# Altium PCB Inverter2beta.PcbDoc (part 1 of 5) (continued)
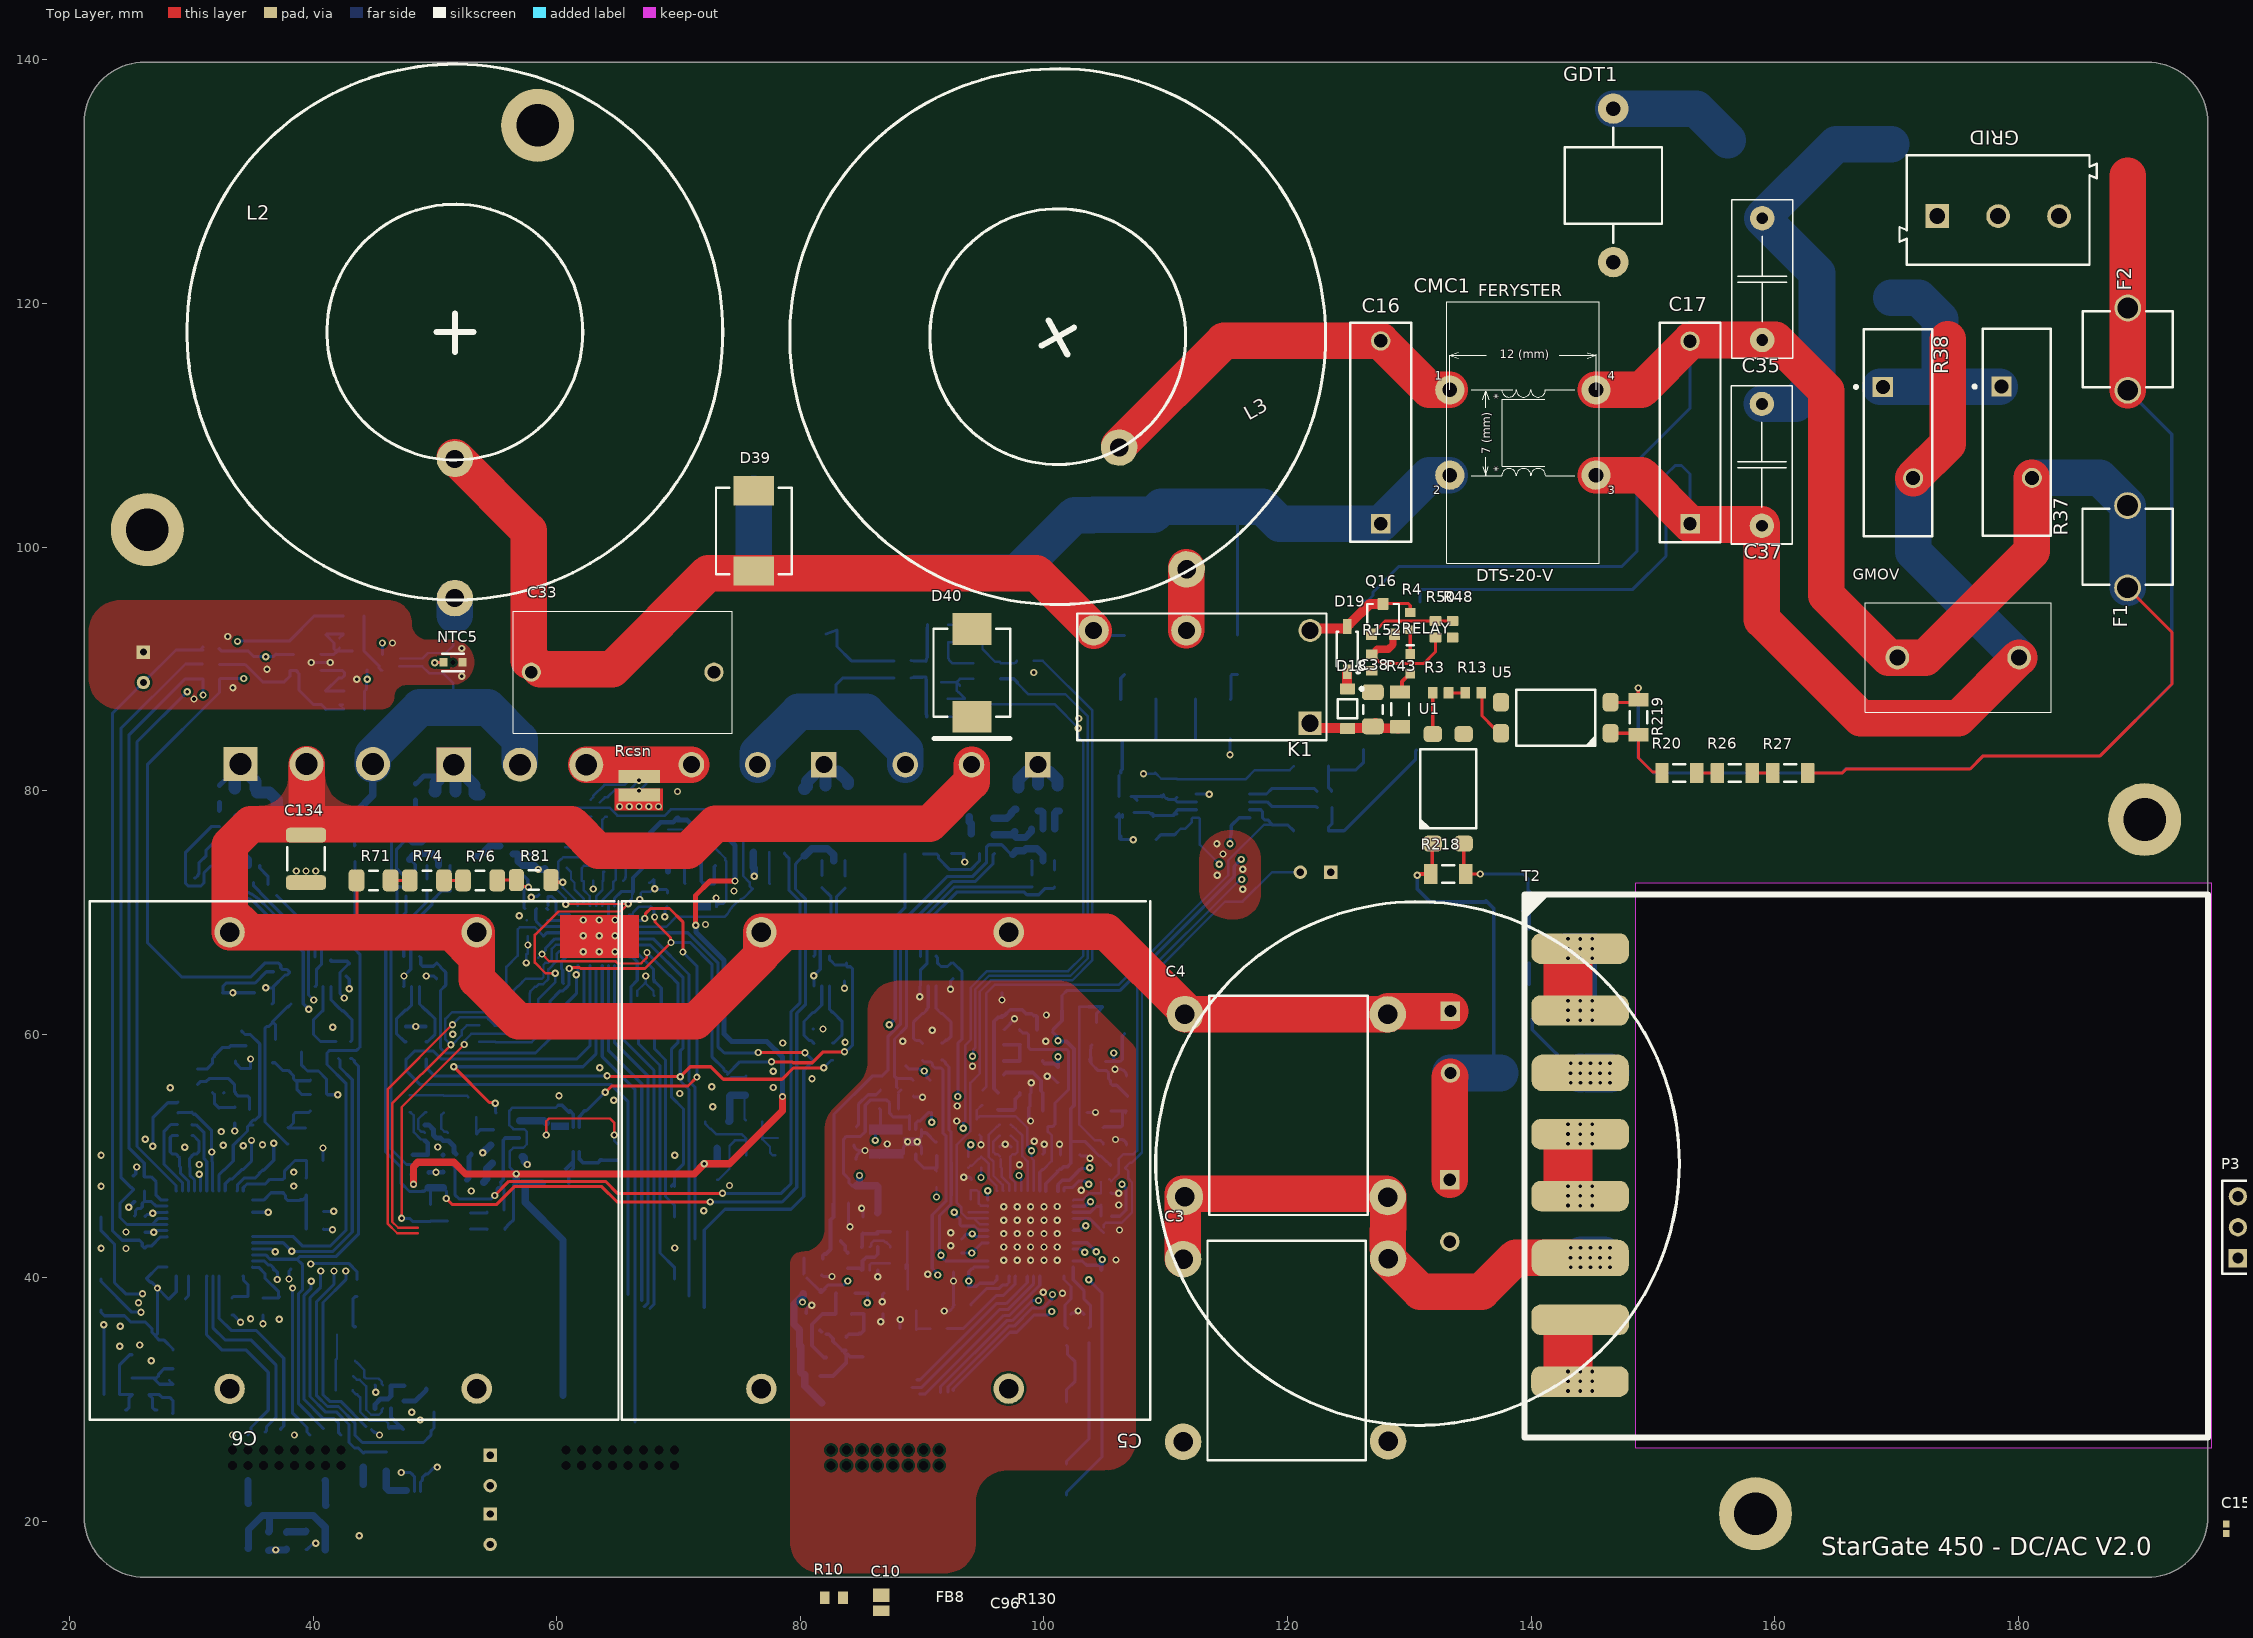
[diagram p0: Top Layer view]
## Components (designator, comment, footprint, x,y, rotation, side; value= is the part's Value field where it differs from the comment) (continued)
GRID "691101710003" 691101710003 178.35,127.675 r0 top
IC1 "STM32G431KBU3" QFN50P500X500X60-33N-D 63.475,68.075 r0 bottom
IC2 "MIC2290YML_TR" SON50P200X200X95-9N-D#1 48.55,21.45 r270 bottom
IC4 "MIC2290YML_TR" SON50P200X200X95-9N-D#2 61.6,51.35 r270 bottom
IC6 "MIC2290YML_TR" SON50P200X200X95-9N-D#1 89.2,51.175 r270 bottom
J1 "Header 6" HDR1X6 69.675,37.355 r90 bottom
J2 "Header 6" HDR1X6 22.575,37.35 r90 bottom
J3 "Header 6" HDR1X6 101.85,32.34 r270 bottom
K1 "ALQ312" PNSC-LQ-4-2000x1000x1600_V 121.85,85.53 r180 top
L1 "SRN3015-150M" BOUR-SRN3015-2_V#1 46.825,17.875 r0 bottom
L2 "1mH" PCBComponent_1 51.625,117.65 r0 top
L3 "1mH" PCBComponent_1 101.125,117.275 r29 top
L4 "SRN3015-150M" BOUR-SRN3015-2_V#2 59.9,47.775 r0 bottom
L5 "SRN3015-150M" BOUR-SRN3015-2_V#1 87.5,47.5 r0 bottom
LED1 "150060YS75000" 0603_A 277.489,31.727 r90 top
LED2 "150060YS75000" 0603_A 275.463,66.678 r90 top
LED3 "150060YS75000" 0603_A 95.825,24.825 r270 bottom
NTC1 "100K" FP-NXR_151B030-MFG 26.05,90.125 r270 bottom
NTC2 "100K" FP-NXR_151B030-MFG 54.525,24.175 r270 bottom
NTC3 "100K" FP-NXR_151B030-MFG 54.525,19.35 r270 bottom
NTC4 "100K" FP-NXR_151B030-MFG 122.3,73.3 r180 bottom
NTC5 "NCU18XH103F60RB" FP-NCU18-0_15-MFG 51.475,90.525 r180 top
P3 "Header 3" HDR1X3 198.035,41.602 r90 top
P4 "TSW-106-07-G-S" SMTC-TSW-106-07-X-S 315.54,74.079 r90 top
Q1 "DMN3067LW-7" FP-SOT323-IPC_C#1 41.325,77.425 r270 bottom
Q2 "MMBT4401" SOT23-3 38.05,58.6 r0 bottom
Q3 "MMBT4401" FAIR-SOT23-3_V#1 73.15,51.725 r270 bottom
Q4 "MBT3946DW1T2G" ONSC-SC70-6-419B-02_W_V#1 45.725,30.225 r270 bottom
Q5 "2N7002W-7-F" FP-SOT323-IPC_B 42.575,35.325 r180 bottom
Q6 "MMBT4401" SOT23-3 23.975,32.725 r180 bottom
Q7 "2N7002-7-F" DIOD-SOT23-3_V 241.412,66.103 r0 top
Q8 "2N7002-7-F" DIOD-SOT23-3_V 244.212,31.177 r0 top
Q9 "MBT3946DW1T2G" ONSC-SC70-6-419B-02_W_V#2 50.1,51.9 r180 bottom
Q10 "2N7002W-7-F" FP-SOT323-IPC_C#2 52.725,54 r90 bottom
Q11 "DMN3067LW-7" FP-SOT323-IPC_C#2 55.875,75.45 r180 bottom
Q12 "DMN3067LW-7" FP-SOT323-IPC_C#2 76.8,75.75 r90 bottom
Q13 "MMBT4401" FAIR-SOT23-3_V#2 81.025,34.4 r180 bottom
Q14 "MBT3946DW1T2G" ONSC-SC70-6-419B-02_W_V#1 85.7,41.575 r90 bottom
Q15 "2N7002W-7-F" FP-SOT323-IPC_B 88.85,38.225 r90 bottom
Q16 "2N7002" STM-SOT-23-3_V 127.85,94.075 r0 top
Q17 "IKW30N65EL5 / STGW30M65DF2" INF-PG-TO247-3_V 76.49,82.125 r90 bottom
Q18 "BC847BW-7-F" FP-SOT323-IPC_C#2 68.325,76.15 r180 bottom
Q19 "2N7002-7-F" DIOD-SOT23-3_V 96.725,21.65 r90 bottom
Q20 "DMN3067LW-7" FP-SOT323-IPC_C#2 94.025,75.65 r90 bottom
Q21 "MMBT4401" SOT23-3 105.2,60 r0 bottom
Q23 "IKW30N65EL5 / STGW30M65DF2" INF-PG-TO247-3_V 94.05,82.125 r90 bottom
Q24 "C3M0065090D" CREE-TO-247-3_V 39.45,82.175 r0 bottom
Q25 "C3M0065090D" CREE-TO-247-3_V 56.975,82.125 r0 bottom
R1 "0.47R" RESC1608X55X25ML10T15#1 39.4,18.45 r90 bottom
R2 "33K 1206" RESC3216X70X50NL05T20#1 139.825,62.7 r270 bottom
R3 "10K" RESC1609X50X30NL8T20 132.575,88.025 r0 top
R4 "3.3k" RESC1608X55X25NL10T15#1 130.075,93.925 r270 top
R5 "33K 1206" RESC3216X70X50NL05T20#1 139.825,67.225 r270 bottom
R6 "180R" RESC1608X55X25LL10T15#1 23.45,30.4 r180 bottom
R7 "2.2K" RESC1608X55X25NL10T15#1 42.55,30.775 r0 bottom
R8 "10K" RESC1608X55X30NL20T10#1 42.575,32.025 r0 bottom
R9 "330R" RESC1608X55X25NL10T15#1 445.847,47.327 r0 top
R10 "0.47R" RESC1608X55X25ML10T15#1 82.75,13.725 r0 top
R11 "16.5K" RESC1608X55X30NL15T15#1 28.475,30.6 r90 bottom
R12 "33K 1206" RESC3216X70X50NL05T20#1 139.825,71.775 r270 bottom
R13 "10K" RESC1609X50X30NL8T20 135.25,88.025 r180 top
R14 "330R" RESC1608X55X25NL10T15#1 409.695,46.702 r90 top
R15 "10K" RESC1608X55X30NL20T10#1 42.575,33.425 r0 bottom
R16 "5R" RESC2012X70N 99.525,79.325 r90 bottom value=N/A
R17 "RES_EMPTY_0805" RESC2012X70N 33.7,78.85 r90 bottom value=N/A
R18 "2R" RESC2012X70N 101.25,79.325 r90 bottom value=N/A
R19 "RES_EMPTY_0805" RESC2012X70N 35.4,78.85 r90 bottom value=N/A
R20 "33K 1206" RESC3216X70X50NL05T20#1 152.175,81.45 r0 top
R21 "59K" RESC1608X55X30NL15T15#1 50.75,18.975 r270 bottom
R22 "33K" RESC1005X40X25ML05T05 34.5,72.65 r180 bottom
R23 "330R" RESC1608X55X25NL10T15#1 43.575,39.175 r270 bottom
R24 "4.99K" RESC1609X50X30NL10T20#1 50.75,21.575 r270 bottom
R25 "100k" RESC1608X55X30NL15T15#1 49.3,24.55 r270 bottom
R26 "33K 1206" RESC3216X70X50NL05T20#1 156.725,81.45 r0 top
R27 "33K 1206" RESC3216X70X50NL05T20#1 161.275,81.45 r0 top
R28 "333K" RESC3216X70X50NL05T20#2 338.817,46.902 r0 top
R29 "333K" RESC3216X70X50NL05T20#2 325.066,46.902 r0 top
R30 "100k" RESC1608X55X30NL15T15#1 42.575,37.325 r0 bottom
R31 "33K" RESC1005X40X25ML05T05 36.65,71.9 r135 bottom
R32 "75K" RESC1608X55X30NL15T15#1 40.125,49.625 r180 bottom
R33 "10K" RESC1609X55X30LL15T15#1 28.475,28.225 r90 bottom
R34 "330R" RESC1608X55X25NL10T15#2 43.075,58.7 r90 bottom
R35 "330R" RESC1608X55X25NL10T15#2 41.875,58.7 r90 bottom
R36 "100k" RESC1608X55X30NL15T15#1 43.375,77.425 r270 bottom
R37 "V275LA20AP" LFUS-V275LA20AP 179.875,109.425 r270 top locked
R38 "V275LA20AP" LFUS-V275LA20AP 170.125,109.4 r270 top locked
R39 "333K" RESC3216X70X50NL05T20#2 309.34,46.902 r0 top
R40 "7.5k 0.1% 1206" RESC3216X50X50NL20T20#1 121.925,82 r0 bottom
R41 "100k" RESC1608X55X30NL15T15#1 31.6,91.65 r0 bottom
R42 "100k" RESC1608X55X30NL15T15#1 31.625,89.15 r0 bottom
R43 "470R" RESC3216X70X50NL05T20#1 129.25,86.675 r90 top
R44 "49.9R" RESC1005X40X25NL05T05#1 28.875,53.975 r270 bottom
R45 "422K 0.1% 1206" RESC1206(3216)_N#1 126.25,94.125 r90 bottom value="1500000.00 Ohm"
R46 "422K 0.1% 1206" RESC1206(3216)_N#1 126.25,89.475 r90 bottom value="1500000.00 Ohm"
R47 "422K 0.1% 1206" RESC1206(3216)_N#1 126.25,84.825 r90 bottom value="1500000.00 Ohm"
R48 "330R" RESC1608X55X30NL15T15#2 133.55,93.25 r90 top
R49 "499R 0.1%" RESC1608X55X30LL20T20 123.025,80.05 r180 bottom
R50 "100k" RESC1608X55X30NL15T15#2 132.15,93.25 r90 top
R51 "0.025R 1% 2512(6432)" RESC2512(6432)_N 83,90.2 r90 bottom value="100.00 Ohm"
R52 "422K 0.1% 1206" RESC1206(3216)_N#1 130.625,94.1 r90 bottom value="1500000.00 Ohm"
R53 "10k" RESC1608X55X30ML15T15 280.564,46.952 r0 top
R54 "49.9R" RESC1005X40X25NL05T05#1 245.537,22.551 r90 top
R55 "20K" RESC1608X55X30NL20T10#1 40.125,44 r0 bottom
R56 "422K 0.1% 1206" RESC1206(3216)_N#1 130.6,89.45 r90 bottom value="1500000.00 Ohm"
R57 "15K" RESC1608X55X30NL20T10#1 40.125,45.45 r0 bottom
R58 "30K 0.1%" RESC1608X55N 43.325,94.325 r180 bottom
R59 "10k" RESC1608X55X30ML15T15 376.143,46.952 r0 top
R60 "10k" RESC1608X55X30ML15T15 286.414,46.952 r0 top
R61 "49.9R" RESC1005X40X25NL05T05#1 28.857,52.252 r270 bottom
R62 "10K" RESC1608X55X30NL20T10#1 40.1,48.175 r0 bottom
R63 "1K 0.1%" RESC1608X55X25NL10T15#2 46.325,89.85 r180 bottom
R64 "499R 0.1%" RESC1608X55N 43.325,92.85 r180 bottom
R65 "10K" RESC1608X55X30NL20T10#1 40.125,46.775 r180 bottom
R66 "6.2R" RESC2012X70N 39,77.55 r90 bottom value=N/A
R67 "330R" RESC1608X55X25NL10T15#1 43.4,74.8 r90 bottom
R68 "10k" RESC1608X55X30ML15T15 364.693,46.952 r0 top
R69 "59K" RESC1608X55X30NL15T15#2 64.95,50.325 r90 bottom
R70 "4.99K" RESC1609X50X30NL10T20#2 63.625,50.325 r270 bottom
R71 "499K 0.1% 1206" RESC3216X50X50NL20T25 44.95,72.625 r180 top
R72 "49.9R" RESC1005X40X25NL05T05#1 25.7,47.25 r0 bottom
R73 "1K 0.1%" RESC1608X55X25NL10T15#2 46.375,91.2 r180 bottom
R74 "499K 0.1% 1206" RESC3216X50X50NL20T25 49.325,72.625 r180 top
R75 "499R 0.1%" RESC1608X55N 43.35,88.175 r180 bottom
R76 "499K 0.1% 1206" RESC3216X50X50NL20T25 53.7,72.625 r180 top
R77 "30K 0.1%" RESC1608X55N 43.35,86.675 r180 bottom
R78 "0.025R 1% 2512(6432)" RESC2512(6432)_N 51.5,90.575 r90 bottom value="100.00 Ohm"
R79 "49.9R" RESC1005X40X25NL05T05#2 57.875,70.4 r0 bottom
R80 "422K 0.1% 1206" RESC1206(3216)_N#1 130.6,84.8 r90 bottom value="1500000.00 Ohm"
R81 "10k 0.1% 1206" RESC3216X50X50NL20T20#2 58.1,72.65 r180 top
R82 "100k" RESC1608X55X30NL15T15#1 29.5,37.6 r270 bottom
R83 "499R 0.1%" RESC1608X55X30LL20T20 123.05,78.6 r180 bottom
R84 "29R" RESC1608X55X30NL20T10#1 33.325,37.65 r270 bottom
R85 "180R" RESC1608X55X25LL10T15#2 73.175,48.7 r90 bottom
R86 "180R" RESC1608X55X25LL10T15#2 71,76.525 r0 bottom
R87 "16.5K" RESC1608X55X30NL15T15#2 71.15,75.1 r180 bottom
R88 "10K" RESC1609X55X30NL15T15#1 73.075,74.45 r270 bottom
R89 "7.5k 0.1% 1206" RESC3216X50X50NL20T20#2 107.725,81.45 r180 bottom
R90 "422K 0.1% 1206" RESC1206(3216)_N#2 106.6,91.3 r90 bottom value="1500000.00 Ohm"
R91 "422K 0.1% 1206" RESC1206(3216)_N#2 107.75,87.5 r180 bottom value="1500000.00 Ohm"
R92 "422K 0.1% 1206" RESC1206(3216)_N#2 107.725,84.25 r0 bottom value="1500000.00 Ohm"
R93 "499R 0.1%" RESC1608X55X30LL20T20 106.775,79.525 r0 bottom
R94 "422K 0.1% 1206" RESC1206(3216)_N#2 115.875,91.325 r90 bottom value="1500000.00 Ohm"
R95 "49.9R" RESC1005X40X25NL05T05#2 59.325,69.875 r270 bottom
R96 "422K 0.1% 1206" RESC1206(3216)_N#2 113.875,87.5 r0 bottom value="1500000.00 Ohm"
R97 "422K 0.1% 1206" RESC1206(3216)_N#2 113.875,84.25 r180 bottom value="1500000.00 Ohm"
R98 "499R 0.1%" RESC1608X55X30LL20T20 106.775,78.1 r0 bottom
R99 "16.5K" RESC1608X55X30NL15T15#2 76.2,52.925 r180 bottom
R100 "29R" RESC1608X55X30NL20T10#1 66.6,61.05 r270 bottom
R101 "499R 0.1%" RESC1608X55X30LL20T20 94.95,54.775 r270 bottom
R102 "7.5k 0.1% 1206" RESC3216X50X50NL20T20#2 107.725,75.975 r180 bottom
R103 "29R" RESC1608X55X30NL20T10#1 68.025,61.075 r270 bottom
R104 "10K" RESC1609X55X30LL15T15#2 78.125,52.125 r270 bottom
R105 "33K" RESC1005X40X25ML05T05 81.775,72.525 r90 bottom
R106 "4.7K" RESC1608X55X25ML10T15#1 259.263,31.652 r90 top
R107 "100k" RESC1608X55X25ML10T15#1 236.537,31.652 r90 top
R108 "33K" RESC1005X40X25ML05T05 83.675,72.5 r90 bottom
R109 "29R" RESC1608X55X30NL20T10#1 35.875,37.65 r270 bottom
R110 "49.9R" RESC1005X40X25NL05T05#1 105.075,47.925 r180 bottom
R111 "29R" RESC1608X55X30NL20T10#1 101.925,35.15 r270 bottom
R112 "29R" RESC1608X55X30NL20T10#1 103.7,35.175 r270 bottom
R113 "180R" RESC1608X55X25LL10T15#1 40.425,56.225 r0 bottom
R114 "4.7K" RESC1608X55X25ML10T15#1 256.963,66.603 r90 top
R115 "20K" RESC1608X55X30NL20T10#1 81.05,41.6 r0 bottom
R116 "4.7K" RESC1608X55X25ML10T15#1 97.875,24.775 r90 bottom
R117 "100k" RESC1608X55X25ML10T15#1 233.986,66.603 r90 top
R118 "16.5K" RESC1608X55X30NL15T15#1 37.925,51.65 r270 bottom
R119 "100k" RESC1608X55X25ML10T15#1 96.7,19.125 r0 bottom
R120 "10K" RESC1609X55X30LL15T15#1 39.35,51.65 r90 bottom
R121 "100k" RESC1608X55X30NL15T15#2 62.375,54.4 r270 bottom
R122 "100k" RESC1608X55X30NL15T15#2 52.75,51.825 r0 bottom
R123 "330R" RESC1608X55X25NL10T15#2 49.275,58.675 r90 bottom
R124 "2.2K" RESC1608X55X25NL10T15#2 47.925,54.275 r270 bottom
R125 "10K" RESC1608X55X30NL20T10#2 49.275,54.275 r270 bottom
R126 "10K" RESC1608X55X30NL20T10#2 50.7,54.25 r270 bottom
R127 "330R" RESC1608X55X25NL10T15#2 55,52.85 r270 bottom
R128 "330R" RESC1608X55X25NL10T15#2 47.6,58.675 r90 bottom
R129 "59K" RESC1608X55X30NL15T15#1 91.175,48.1 r270 bottom
R130 "0.47R" RESC1608X55X25ML10T15#1 98.825,10.65 r90 top
R131 "4.99K" RESC1609X50X30NL10T20#1 91.15,50.525 r270 bottom
R132 "2.2K" RESC1608X55X25NL10T15#1 88.1,43.825 r180 bottom
R133 "180R" RESC1608X55X25LL10T15#1 81,31.925 r180 bottom
R134 "10K" RESC1608X55X30NL20T10#1 88.075,42.5 r180 bottom
R135 "10K" RESC1608X55X30NL20T10#1 88.05,41.175 r180 bottom
R136 "16.5K" RESC1608X55X30NL15T15#1 83.525,37.025 r180 bottom
R137 "330R" RESC1608X55X25NL10T15#1 91.35,35.825 r180 bottom
R138 "5R" RESC2012X70N 49.875,78.85 r90 bottom value=N/A
R139 "10K" RESC1609X55X30LL15T15#1 86.125,37.05 r180 bottom
R140 "33K" RESC1005X40X25ML05T05 99.025,72.575 r90 bottom
R141 "33K" RESC1005X40X25ML05T05 100.875,72.575 r90 bottom
R142 "6.2R" RESC2012X70N 94.775,77.775 r0 bottom value=N/A
R143 "330R" RESC1608X55X25NL10T15#2 89.3,74.8 r0 bottom
R144 "2R" RESC2012X70N 51.625,78.85 r90 bottom value=N/A
R145 "330R" RESC1608X55X25NL10T15#2 82.65,58.575 r90 bottom
R146 "330R" RESC1608X55X25NL10T15#2 81.1,58.55 r90 bottom
R147 "33K" RESC1005X40X25ML05T05 49.325,72.25 r90 bottom
R148 "5R" RESC2012X70N 82.175,79.325 r90 bottom value=N/A
R149 "33K" RESC1005X40X25ML05T05 51.25,72.25 r90 bottom
R150 "2R" RESC2012X70N 83.925,79.325 r90 bottom value=N/A
R151 "6.2R" RESC2012X70N 53.425,75.625 r90 bottom value=N/A
R152 "1R" RESC1608X55X30NL15T15#2 126.9,90.525 r90 top
R153 "330R" RESC1608X55X25NL10T15#2 57.975,77.9 r270 bottom
R154 "100k" RESC1608X55X30NL15T15#2 58,75.475 r90 bottom
R155 "6.2R" RESC2012X70N 77.75,78.175 r0 bottom value=N/A
R156 "330R" RESC1608X55X25NL10T15#2 76.775,72 r0 bottom
R157 "100k" RESC1608X55X30NL15T15#2 76.775,73.725 r0 bottom
R158 "75K" RESC1608X55X30NL15T15#3 55.025,45.375 r180 bottom
R159 "10K" RESC1608X55X30NL20T10#3 55,43.975 r180 bottom
R160 "10K" RESC1608X55X30NL20T10#1 49.625,45.325 r270 bottom
R161 "10K" RESC1608X55X30NL20T10#1 48.15,45.325 r90 bottom
R162 "30K 0.1%" RESC1608X55N 66.225,75.375 r270 bottom
R163 "1K 0.1%" RESC1608X55X25NL10T15#2 63.875,78.55 r270 bottom
R164 "499R 0.1%" RESC1608X55N 64.825,74.725 r270 bottom
R165 "49.9R" RESC1005X40X25NL05T05#2 63.75,73.8 r270 bottom
R166 "100k" RESC1608X55X30NL15T15#4 54.987,60.025 r270 bottom
R167 "1K 0.1%" RESC1608X55X25NL10T15#2 62.625,78.55 r270 bottom
R168 "499R 0.1%" RESC1608X55N 60.875,74.5 r270 bottom
R169 "30K 0.1%" RESC1608X55N 62.325,74.5 r270 bottom
R170 "100k" RESC1608X55X30NL15T15#5 53.625,60.025 r270 bottom
R171 "100k" RESC1608X55X30NL15T15#2 60.825,60.7 r90 bottom
R172 "100k" RESC1608X55X30NL15T15#1 90.775,54.25 r270 bottom
R173 "100k" RESC1608X55X30NL15T15#1 88.85,35.825 r0 bottom
R174 "330R" RESC1608X55X25NL10T15#2 91.6,58.575 r90 bottom
R175 "330R" RESC1608X55X25NL10T15#2 90.025,58.55 r90 bottom
R176 "100k" RESC1608X55X30NL15T15#2 91.75,74.825 r180 bottom
R177 "75K" RESC1608X55X30NL15T15#1 89.975,56.2 r0 bottom
R178 "15K" RESC1608X55X30NL20T10#1 81.025,38.675 r180 bottom
R179 "10K" RESC1608X55X30NL20T10#1 81.05,40.2 r180 bottom
R180 "10K" RESC1608X55X30NL20T10#1 88.65,58.1 r90 bottom
R181 "30K 0.1%" RESC1608X55N 91.225,86.05 r0 bottom
R182 "0R" RESC1608X55X25NL10T15#1 31.6,90.4 r180 bottom
R183 "1K 0.1%" RESC1608X55X25NL10T15#2 88.375,89.25 r0 bottom
R184 "499R 0.1%" RESC1608X55N 91.225,87.525 r0 bottom
R185 "49.9R" RESC1005X40X25NL05T05#1 94,45.975 r90 bottom
R186 "100k" RESC1608X55X30NL15T15#6 106.15,49.2 r180 bottom
R187 "1K 0.1%" RESC1608X55X25NL10T15#2 88.375,90.675 r0 bottom
R188 "499R 0.1%" RESC1608X55N 91.275,92.175 r0 bottom
R189 "30K 0.1%" RESC1608X55N 91.275,93.625 r0 bottom
R190 "100k" RESC1608X55X30NL15T15#1 93.2,37.625 r0 bottom
R191 "180R" RESC1608X55X25LL10T15#1 104.425,57.75 r0 bottom
R192 "16.5K" RESC1608X55X30NL15T15#1 104.875,51.65 r270 bottom
R193 "10K" RESC1609X55X30NL15T15#2 106.775,51.65 r90 bottom
R194 "7.5k 0.1% 1206" RESC3216X50X50NL20T20#1 121.925,76.7 r0 bottom
R195 "0.47R" RESC1608X55X25ML10T15#2 54.675,50.15 r270 bottom
R196 "6.8R 2W" RESC2512(6432)_L 77.425,94.25 r270 bottom value="10.00 Ohm"
R197 "6.8R 2W" RESC2512(6432)_L 73.6,94.3 r270 bottom value="10.00 Ohm"
R198 "49.9R" RESC1005X40X25NL05T05#1 96.35,52.125 r270 bottom
R199 "49.9R" RESC1005X40X25NL05T05#1 97.275,52.125 r270 bottom
R200 "49.9R" RESC1005X40X25NL05T05#1 105.1,45.125 r180 bottom
R201 "0R" RESC1005X40X25NL05T05#1 94.85,49.475 r270 bottom
R202 "1K 0.1%" RESC1608X55X30LL20T20 97.975,59.775 r270 bottom
R203 "1.65K 0.1%" RESC1608X55X30LL20T20 96.7,59.775 r90 bottom
R204 "180R" RESC1608X55X25LL10T15#1 100.075,60.25 r0 bottom
R205 "59R" RESC1608X55X30ML15T15 99.95,53 r90 bottom
R206 "1K" RESC1608X55X30NL20T10#1 96.225,54.725 r90 bottom
R207 "0R" RESC1005X40X25NL05T05#1 93.775,49.475 r90 bottom
R208 "0.47R" RESC1608X55X25ML10T15#1 44.075,22.1 r90 bottom
R209 "0.47R" RESC1608X55X25ML10T15#1 84.4,51.65 r90 bottom
R210 "49.9R" RESC1005X40X25NL05T05#1 30.032,52.252 r270 bottom
R211 "1K 0.1%" RESC1608X55X30LL20T20 34.125,59.65 r270 bottom
R212 "1.65K 0.1%" RESC1608X55X30LL20T20 32.85,59.65 r90 bottom
R213 "180R" RESC1608X55X25LL10T15#1 37.375,65.125 r0 bottom
R214 "59R" RESC1608X55X30NL15T15#1 34.8,53.35 r90 bottom
R215 "1K" RESC1608X55X30LL20T10 33.55,53.35 r270 bottom
R216 "0R" RESC1608X55X25NL10T15#1 98.45,90.65 r0 bottom
R217 "0R" RESC1005X40X25NL05T05#1 25.75,45.05 r180 bottom
R218 "33K 1206" RESC3216X70X50NL05T20#2 133.2,73.15 r0 top
R219 "33K 1206" RESC3216X70X50NL05T20#2 148.825,86.025 r90 top
Rcsn "0.02R" RESC1632X80N 66.75,80.4 r90 top
RELAY "150060GS75000" 0603_A 130.075,90.425 r270 top
T2 "LLC 400W" ETD39-K-V-16P-HORIZONTAL-SEC 139.461,26.898 r0 top
TP7 "5002" KSTN-5002 474.098,46.652 r0 top
TP9 "5001" KSTN-5001 427.121,46.652 r0 top
TP10 "5001" KSTN-5001 432.971,46.652 r90 top
TP25 "5002" KSTN-5002 343.767,46.652 r90 top
TP26 "5002" KSTN-5002 356.992,46.652 r90 top
U1 "LTV-814S" LTV-814S 131.951,75.633 r90 top
U2 "TS431BILT" SOT23-5_N 71.875,71.425 r0 bottom
U3 "1EDN8550B" SOT23-6 50.275,75.15 r90 bottom
U4 "TS431BILT" SOT23-5 25.875,28.2 r0 bottom
U5 "LTV-814S" LTV-814S 146.542,84.736 r180 top
U6 "74AHC1G08SE-7" DCK0005A_M 40.8,65.125 r90 bottom
U7 "1EDN8550B" SOT23-6 34.65,75.15 r90 bottom
U8 "MCP6V96T" DCK0005A_N 39.5,90.525 r180 bottom
U9 "TS431BILT" SOT23-5 37.6,54.875 r270 bottom
U10 "TS431BILT" SOT23-5_N 76.75,49.1 r0 bottom
U11 "74AHC1G08SE-7" DCK0005A_M 48.075,65.15 r90 bottom
U12 "74AHC1G08SE-7" DCK0005A_M 81.75,65.175 r90 bottom
U13 "1EDN8550B" SOT23-6 82.725,75.55 r90 bottom
U14 "TS431BILT" SOT23-5 86.05,34.475 r90 bottom
U15 "74AHC1G08SE-7" DCK0005A_M 90.5,65.175 r90 bottom
U16 "1EDN8550B" SOT23-6 99.925,75.55 r90 bottom
U17 "MCP6V96T" DCK0005A_N 95.325,89.825 r0 bottom
U18 "TS431BILT" SOT23-5 104.5,54.875 r270 bottom
U19 "MCP6L72T-E/SN" SOP65P490X109-8N 114.7,78.75 r0 bottom
U20 "STM32G491CCU" QFN50P700X700X65-49N-D 98.9,43.625 r0 bottom
U21 "TLV9051IDBVR" SOT23-5 98.95,56.5 r90 bottom
U22 "TS431BILT" SOT23-5 97.85,62.475 r180 bottom
U23 "STM32G491CCU" QFN50P700X700X65-49N-D 4.225,80.7 r0 bottom
U24 "TLV9051IDBVR" SOT23-5 32.675,56.5 r90 bottom
U25 "TS431BILT" SOT23-5 33.85,62.45 r0 bottom
U? "2ED2110S06M" RW-16_N 90.125,74 r270 bottom

## Footprints (in the part's own frame and the unit in brackets; to place one, negate y for a bottom-side part, rotate by r counter-clockwise, add the part's x,y. Pads: shape width x height; smd on the part's side, far side on the other; paste and mask are expansions set on the pad)
0603_A [mm] "Chip LED, 2-Leads, Body 1.6x0.8mm, IPC Medium Density"
  rect 0.8x0.8 smd: 1(-0.8,0) 2(0.8,0)
  silkscreen extent -1.5,-0.3 -1.5,0.3, body extent -0.8,-0.4 0.8,0.4, height 0.7
691101710003 [mm] "5,00mm - modular - blue - Horizontal entry with pressure clamp - 12,6mm height - 03p"
  rect 1.95x1.95 hole 1.3: 1(-5,-0.5)
  round 1.95 hole 1.3: 2(0,-0.5) 3(5,-0.5)
  silkscreen extent -8.1,-4.5 8.1,4.5, body extent -8.1,-4.5 8.1,4.5, height 12.65
AC240 [mm]
  round 2.5 hole 1.2: 1(0,0) 2(12.6,0)
  silkscreen extent 1.59,-4 11.02,4
B32672P5334K000 [mm]
  round 1.5 hole 1: 1(0,0) 2(15,0)
  silkscreen extent -2.2,-3 16.5,3, body extent -1.5,-3 16.5,3, height 11.1
BOUR-SRN3015-2_V#1 [mm] "SMD, 2-Leads, Body 3x3mm, Height 1.5mm"
  rect 1x2.7 smd: 1(-1.1,0) 2(1.1,0)
  silkscreen extent -1.22,-1.5 0.2,2.02, body extent -1.5,-1.5 1.5,1.5, height 1.5
BOUR-SRN3015-2_V#2 [mm] "SMD, 2-Leads, Body 3x3mm, Height 1.5mm"
  rrect10% 1x2.7 smd: 1(-1.1,0) 2(1.1,0)
  silkscreen extent -1.22,-1.5 0.2,2.02, body extent -1.5,-1.5 1.5,1.5, height 1.5
C4AQLLW5450A38K [mm]
  round 2.5 hole 1.6: 1(0,20.3) 1(0,0) 2(37.48,20.3) 2(37.5,0)
  silkscreen extent -2.55,-11.47 40.05,31.93, body extent -2.55,-11.48 40.05,31.93, height 25.2
CAPC1005X56X25LL10T15#1 [mm] "Chip Capacitor, 2-Leads, Body 1.00x0.50mm, IPC High Density"
  rect 0.58x0.54 smd: 1(-0.39,0) 2(0.39,0)
  body extent -0.55,-0.3 0.55,0.3, height 0.56
CAPC1005X56X25LL10T15#2 [mm] "Chip Capacitor, 2-Leads, Body 1.00x0.50mm, IPC High Density"
  rrect10% 0.58x0.54 smd: 1(-0.39,0) 2(0.39,0)
  body extent -0.55,-0.3 0.55,0.3, height 0.56
CAPC1005X56X25NL10T15 [mm] "Chip Capacitor, 2-Leads, Body 1.00x0.50mm, IPC Medium Density"
  rect 0.68x0.64 smd: 1(-0.44,0) 2(0.44,0)
  body extent -0.55,-0.3 0.55,0.3, height 0.56
CAPC1608X90X35LL15T15#1 [mm] "Chip Capacitor, 2-Leads, Body 1.60x0.81mm, IPC High Density"
  rrect10% 0.85x0.9 smd: 1(-0.65,0) 2(0.65,0)
  body extent -0.88,-0.48 0.87,0.48, height 0.9
CAPC1608X90X35LL15T15#2 [mm] "Chip Capacitor, 2-Leads, Body 1.60x0.81mm, IPC High Density"
  rect 0.85x0.9 smd: 1(-0.65,0) 2(0.65,0)
  body extent -0.88,-0.48 0.87,0.48, height 0.9
CAPC1608X90X35LL15T15#3 [mm] "Chip Capacitor, 2-Leads, Body 1.60x0.81mm, IPC High Density"
  rrect10% 0.85x0.9 smd: 1(-0.7,0) 2(0.75,0)
  body extent -0.88,-0.48 0.87,0.48, height 0.9
CAPC1608X90X35ML15T15 [mm] "Chip Capacitor, 2-Leads, Body 1.60x0.81mm, IPC Low Density"
  rect 1.25x1.1 smd: 1(-0.85,0) 2(0.85,0)
  body extent -0.88,-0.48 0.87,0.48, height 0.9
CAPC1608X90X35NL10T15#1 [mm] "Chip Capacitor, 2-Leads, Body 1.60x0.80mm, IPC Medium Density"
  rrect10% 0.85x0.95 smd: 1(-0.675,0) 2(0.675,0)
  body extent -0.85,-0.45 0.85,0.45, height 0.9
CAPC1608X90X35NL10T15#2 [mm] "Chip Capacitor, 2-Leads, Body 1.60x0.80mm, IPC Medium Density"
  rect 0.85x0.95 smd: 1(-0.675,0) 2(0.675,0)
  body extent -0.85,-0.45 0.85,0.45, height 0.9
CAPC1608X90X35NL15T15#1 [mm] "Chip Capacitor, 2-Leads, Body 1.60x0.81mm, IPC Medium Density"
  rect 1.05x1 smd: 1(-0.75,0) 2(0.75,0)
  body extent -0.88,-0.48 0.87,0.48, height 0.9
CAPC1608X90X35NL15T15#2 [mm] "Chip Capacitor, 2-Leads, Body 1.60x0.81mm, IPC Medium Density"
  rrect10% 1.05x1 smd: 1(-0.75,0) 2(0.75,0)
  body extent -0.88,-0.48 0.87,0.48, height 0.9
CAPC1608X90X40NL10T20 [mm] "Chip Capacitor, 2-Leads, Body 1.60x0.80mm, IPC Medium Density"
  rect 0.95x0.95 smd: 1(-0.625,0) 2(0.625,0)
  body extent -0.85,-0.45 0.85,0.45, height 0.9
CAPC1812(4532)230_L [mm] "Chip Capacitor, Body 4.5x3.2mm, Height 2.3mm, IPC High Density"
  rrect50% 1.2x3.3 smd: 1(-1.95,0) 2(1.95,0)
  silkscreen extent -0.95,-1.55 0.95,1.55, body extent -2.4,-1.7 2.4,1.7, height 2.3
CAPC2012X135N [mm] "Chip Capacitor, Body 2.0x1.2mm, EIA 0805, IPC Medium Density"
  round 0.254 on Mech15: 0(0,0)
  rrect25% 1x1.4 smd: 1(-0.9,0) 2(0.9,0)
  Top Layer pour cut-out: -0.675,0.7 -0.475,0.9 0.475,0.9 0.675,0.7 0.675,-0.7 0.475,-0.9 -0.475,-0.9 -0.675,-0.7
  silkscreen extent -0.15,-0.65 0.15,0.65, body extent -1.1,-0.72 1.1,0.73, height 1.34
CAPC2013X135X45ML10T25 [mm] "Chip Capacitor, 2-Leads, Body 2.10x1.35mm, IPC Low Density"
  rrect10% 1.4x1.5 smd: 1(-0.95,0) 2(0.95,0)
  body extent -1.05,-0.67 1.05,0.67, height 1.35
CAPC2013X135X45NL10T25 [mm] "Chip Capacitor, 2-Leads, Body 2.10x1.35mm, IPC Medium Density"
  rrect10% 1.2x1.4 smd: 1(-0.85,0) 2(0.85,0)
  body extent -1.05,-0.67 1.05,0.67, height 1.35
CAPC2013X140X50LL20T25#1 [mm] "Chip Capacitor, 2-Leads, Body 2.00x1.25mm, IPC High Density"
  rect 1.1x1.35 smd: 1(-0.7,0) 2(0.7,0)
  body extent -1.1,-0.72 1.1,0.72, height 1.4
CAPC2013X140X50LL20T25#2 [mm] "Chip Capacitor, 2-Leads, Body 2.00x1.25mm, IPC High Density"
  rrect10% 1.1x1.35 smd: 1(-0.7,0) 2(0.7,0)
  body extent -1.1,-0.72 1.1,0.72, height 1.4
CAPC2013X145X20NL20#1 [mm] "Chip Capacitor, 2-Leads, Body 2.20x1.45mm, IPC Medium Density"
  rect 0.75x1.45 smd: 1(-1.075,0) 2(1.075,0)
  silkscreen extent -0.3,-0.63 0.3,0.63, body extent -1.1,-0.73 1.1,0.72, height 1.45
CAPC2013X145X20NL20#2 [mm] "Chip Capacitor, 2-Leads, Body 2.20x1.45mm, IPC Medium Density"
  rrect10% 0.75x1.45 smd: 1(-1.075,0) 2(1.075,0)
  silkscreen extent -0.3,-0.63 0.3,0.63, body extent -1.1,-0.72 1.1,0.72, height 1.45
CAPC2013X145X50LL20T25 [mm] "Chip Capacitor, 2-Leads, Body 2.00x1.25mm, IPC High Density"
  rrect10% 1.1x1.35 smd: 1(-0.7,0) 2(0.7,0)
  body extent -1.1,-0.72 1.1,0.72, height 1.45
CAPC3216X229X50LL20T25#1 [mm] "Chip Capacitor, 2-Leads, Body 3.40x1.80mm, IPC High Density"
  rect 1.1x1.7 smd: 1(-1.3,0) 2(1.3,0)
  silkscreen extent -0.35,-0.75 0.35,0.75, body extent -1.7,-0.9 1.7,0.9, height 2.29
CAPC3216X229X50LL20T25#2 [mm] "Chip Capacitor, 2-Leads, Body 3.40x1.80mm, IPC High Density"
  rrect10% 1.1x1.7 smd: 1(-1.3,0) 2(1.3,0)
  silkscreen extent -0.35,-0.75 0.35,0.75, body extent -1.7,-0.9 1.7,0.9, height 2.29
CAPC3216X229X50NL20T25 [mm] "Chip Capacitor, 2-Leads, Body 3.40x1.80mm, IPC Medium Density"
  rrect50% 1.3x1.8 smd: 1(-1.4,0) 2(1.4,0)
  silkscreen extent -0.35,-0.8 0.35,0.8, body extent -1.7,-0.9 1.7,0.9, height 2.29
"CAPMF13.0x5.0x11.0x10.0mm LxWxHxP" [mm] "Capacitor, THT, Metallized Polypropylene Film, 10mm lead pitch"
  round 2 hole 0.965: 1(-5,0) 2(5,0)
  silkscreen extent -6.5,-2.5 6.5,2.5, body extent -6.5,-2.5 6.5,2.5, height 11
CLP-108-02-XXX-D-BE [mm]
  rect 0.74x1.47 smd: 1(4.445,-1.87) 2(4.445,1.87) 3(3.175,-1.87) 4(3.175,1.87) 5(1.905,-1.87) 6(1.905,1.87) 7(0.635,-1.87) 8(0.635,1.87) 9(-0.635,-1.87) 10(-0.635,1.87) 11(-1.905,-1.87) 12(-1.905,1.87) 13(-3.175,-1.87) 14(-3.175,1.87) 15(-4.445,-1.87) 16(-4.445,1.87)
  round 0.37 hole 0.74 unplated: 17(4.445,-0.635) 18(4.445,0.635) 19(3.175,-0.635) 20(3.175,0.635) 21(1.905,-0.635) 22(1.905,0.635) 23(0.635,-0.635) 24(0.635,0.635) 25(-0.635,-0.635) 26(-0.635,0.635) 27(-1.905,-0.635) 28(-1.905,0.635) 29(-3.175,-0.635) 30(-3.175,0.635) 31(-4.445,-0.635) 32(-4.445,0.635)
  silkscreen extent -5.3,-2.92 5.3,1.52, body extent -5.3,-2.16 5.29,2.16, height 2.13
CREE-TO-247-3_V [mm] "FM, 3-Leads, Body 16.13x5.21 mm, Pitch 5.44mm"
  rect 2.8x2.8 hole 1.8 paste+0: 1(-5.44,0)
  round 2.8 hole 1.8 paste+0: 2(0,0) 3(5.44,0)
  silkscreen extent -8.84,-2.33 8.06,2.88, body extent -8.06,-2.28 8.06,2.88, height 25.5
DCK0005A_M [mm] "SOT23, 5-Leads, Body 2.15x1.4mm, Pitch 0.65mm, IPC Low Density"
  rrect22% 1.05x0.45 smd: 1(-1.225,0.65) 2(-1.225,0) 3(-1.225,-0.65) 4(1.225,-0.65) 5(1.225,0.65)
  silkscreen extent -1.35,-1.1 0.3,1.55, body extent -1.14,-1 1.14,1, height 0.94
DCK0005A_N [mm] "SOT23, 5-Leads, Body 2.15x1.4mm, Pitch 0.65mm, IPC Medium Density"
  rrect25% 0.85x0.4 smd: 1(-1.125,0.65) 2(-1.125,0) 3(-1.125,-0.65) 4(1.125,-0.65) 5(1.125,0.65)
  silkscreen extent -1.25,-1.1 0.3,1.52, body extent -1.14,-1 1.14,1, height 0.94
DIOD-SOD-123-2_V#1 [mm] "SOD-123, 2-Leads, Body 2.85x1.7mm (max), Pitch 3.7mm"
  rect 1.2x0.7 smd: 1(-1.85,0) 2(1.85,0)
  silkscreen extent -1.43,-0.85 1.97,1.02, body extent -1.42,-0.85 1.42,0.85, height 1.45
DIOD-SOD-123-2_V#2 [mm] "SOD-123, 2-Leads, Body 2.85x1.7mm (max), Pitch 3.7mm"
  rrect10% 1.2x0.7 smd: 1(-1.85,0) 2(1.85,0)
  silkscreen extent -1.43,-0.85 1.97,1.03, body extent -1.42,-0.85 1.43,0.85, height 1.45
DIOD-SOT23-3_V [mm] "SOT23, 3-Leads, Body 3x1.4mm, Pitch 0.95mm"
  rect 0.9x0.8 smd: 1(-1,0.95) 2(-1,-0.95) 3(1,0)
  silkscreen extent -1.12,-1.5 0.7,2.02, body extent -1.25,-1.5 1.25,1.5, height 1.1
DTS-20/0,47/7,0 [mm]
  round 2.4 hole 1.2: 1(0,0) 2(0,-7) 3(12,-7) 4(12,0)
  silkscreen extent -0.25,-14.25 12.25,7.25, body extent -0.51,-14.1 12.44,6.96, height 20.03
ECW-FE2W105K [mm]
  round 3 hole 1.6: 1(8.5,-7.5) 2(8.5,7.5)
  silkscreen extent -6.5,-9.01 6.5,9, body extent -6.5,-9 6.5,9, height 7
ETD39-K-V-16P-HORIZONTAL-SEC [mm]
  rrect60% 8x2.5 smd: 9(4.549,4.57) 10(4.563,9.647) 12(4.563,19.807) 13(4.563,24.887) 15(4.563,35.047) 16(4.563,40.127)
  rrect60% 8x3 smd: 11(4.563,14.727) 14(4.563,29.92)
  silkscreen extent 0,0 56.13,44.57, body extent 3.6,0.23 55.8,44.73, height 27.5
FAIR-DO-214AB-2_V [mm] "Molded Diode, 2-Leads, Body 7.15x6.25mm"
  rect 2.6x3.2 smd: 1(-3.6,0) 2(3.6,0)
  silkscreen extent -3.6,-3.15 5.4,3.15, body extent -3.79,-3.13 3.79,3.13, height 2.65
FAIR-SOT23-3_V#1 [mm] "SOT23, 3-Leads, Body 3.12x1.5mm, Pitch 0.95mm"
  rrect10% 1.4x1 smd: 1(-1.1,0.95) 2(-1.1,-0.95) 3(1.1,0)
  silkscreen extent -1.22,-1.55 0.75,2.12, body extent -1.35,-1.56 1.35,1.56, height 1.2
FAIR-SOT23-3_V#2 [mm] "SOT23, 3-Leads, Body 3.12x1.5mm, Pitch 0.95mm"
  rect 1.4x1 smd: 1(-1.1,0.95) 2(-1.1,-0.95) 3(1.1,0)
  silkscreen extent -1.23,-1.55 0.75,2.12, body extent -1.35,-1.56 1.35,1.56, height 1.2
FP-1_5SMC-MFG [mm]
  rect 2.4x3.3 smd paste+0 mask+0: 1(-3.3,0) 2(3.3,0)
  silkscreen extent -3.55,-3.11 3.55,3.11, body extent -3.97,-2.95 3.97,2.95, height 2.62
FP-NCU18-0_15-MFG [mm]
  rect 0.65x0.7 smd paste+0 mask+0: 1(-0.775,0) 2(0.775,0)
  silkscreen extent -0.87,-0.72 0.87,0.72, body extent -0.8,-0.4 0.8,0.4, height 0.95
FP-NXR_151B030-MFG [mm]
  rect 1.1x1.1 hole 0.6 paste-1000 mask+0: 1(-1.25,0)
  round 1.1 hole 0.6 paste-1000 mask+0: 2(1.25,0)
  silkscreen extent -2,-1 2,1, body extent -2,-1 2,1, height 27
FP-SOT323-IPC_B [mil]
  rect 47.65x18.73 smd paste+0 mask+0: 1(-33.5,25.59)
  rrect100% 47.65x18.73 smd paste+0 mask+0: 2(-33.5,-25.59) 3(33.5,0)
  silkscreen extent -26,-42 26,42, body extent -41,-42 41,42, height 43
FP-SOT323-IPC_C#1 [mm]
  rect 0.91x0.436 smd paste+0 mask+0: 1(-0.801,0.65)
  rrect100% 0.91x0.436 smd paste+0 mask+0: 2(-0.801,-0.65) 3(0.801,0)
  silkscreen extent -0.65,-1.07 0.65,1.07, body extent -1.05,-1.08 1.05,1.07, height 1.1
FP-SOT323-IPC_C#2 [mm]
  rrect10% 0.91x0.436 smd paste+0 mask+0: 1(-0.801,0.65)
  rrect100% 0.91x0.436 smd paste+0 mask+0: 2(-0.801,-0.65) 3(0.801,0)
  silkscreen extent -0.65,-1.07 0.65,1.07, body extent -1.05,-1.08 1.05,1.07, height 1.1
FUSC9830X318N [mm]
  rrect50% 2.62x3.2 smd: 1(-4.05,0) 2(4.05,0)
  silkscreen extent 0,-1.43 0,1.43, body extent -4.9,-1.53 4.9,1.53, height 3.18
GMOV20D271K [mm]
  round 1.95 hole 1.3: 1(0,0) 2(10,0)
  silkscreen extent -2.62,-4.5 12.62,4.5, body extent -2.62,-4.5 12.62,4.5, height 26.1
HDR1X3 [mm] "Connector; Header; 3 Position"
  rect 1.5x1.5 hole 0.9: 1(0,0)
  round 1.5 hole 0.9: 2(2.54,0) 3(5.08,0)
  silkscreen extent -1.27,-1.27 6.35,1.27